# Altium PCB PCB.PcbDoc (part 1 of 3) (continued)
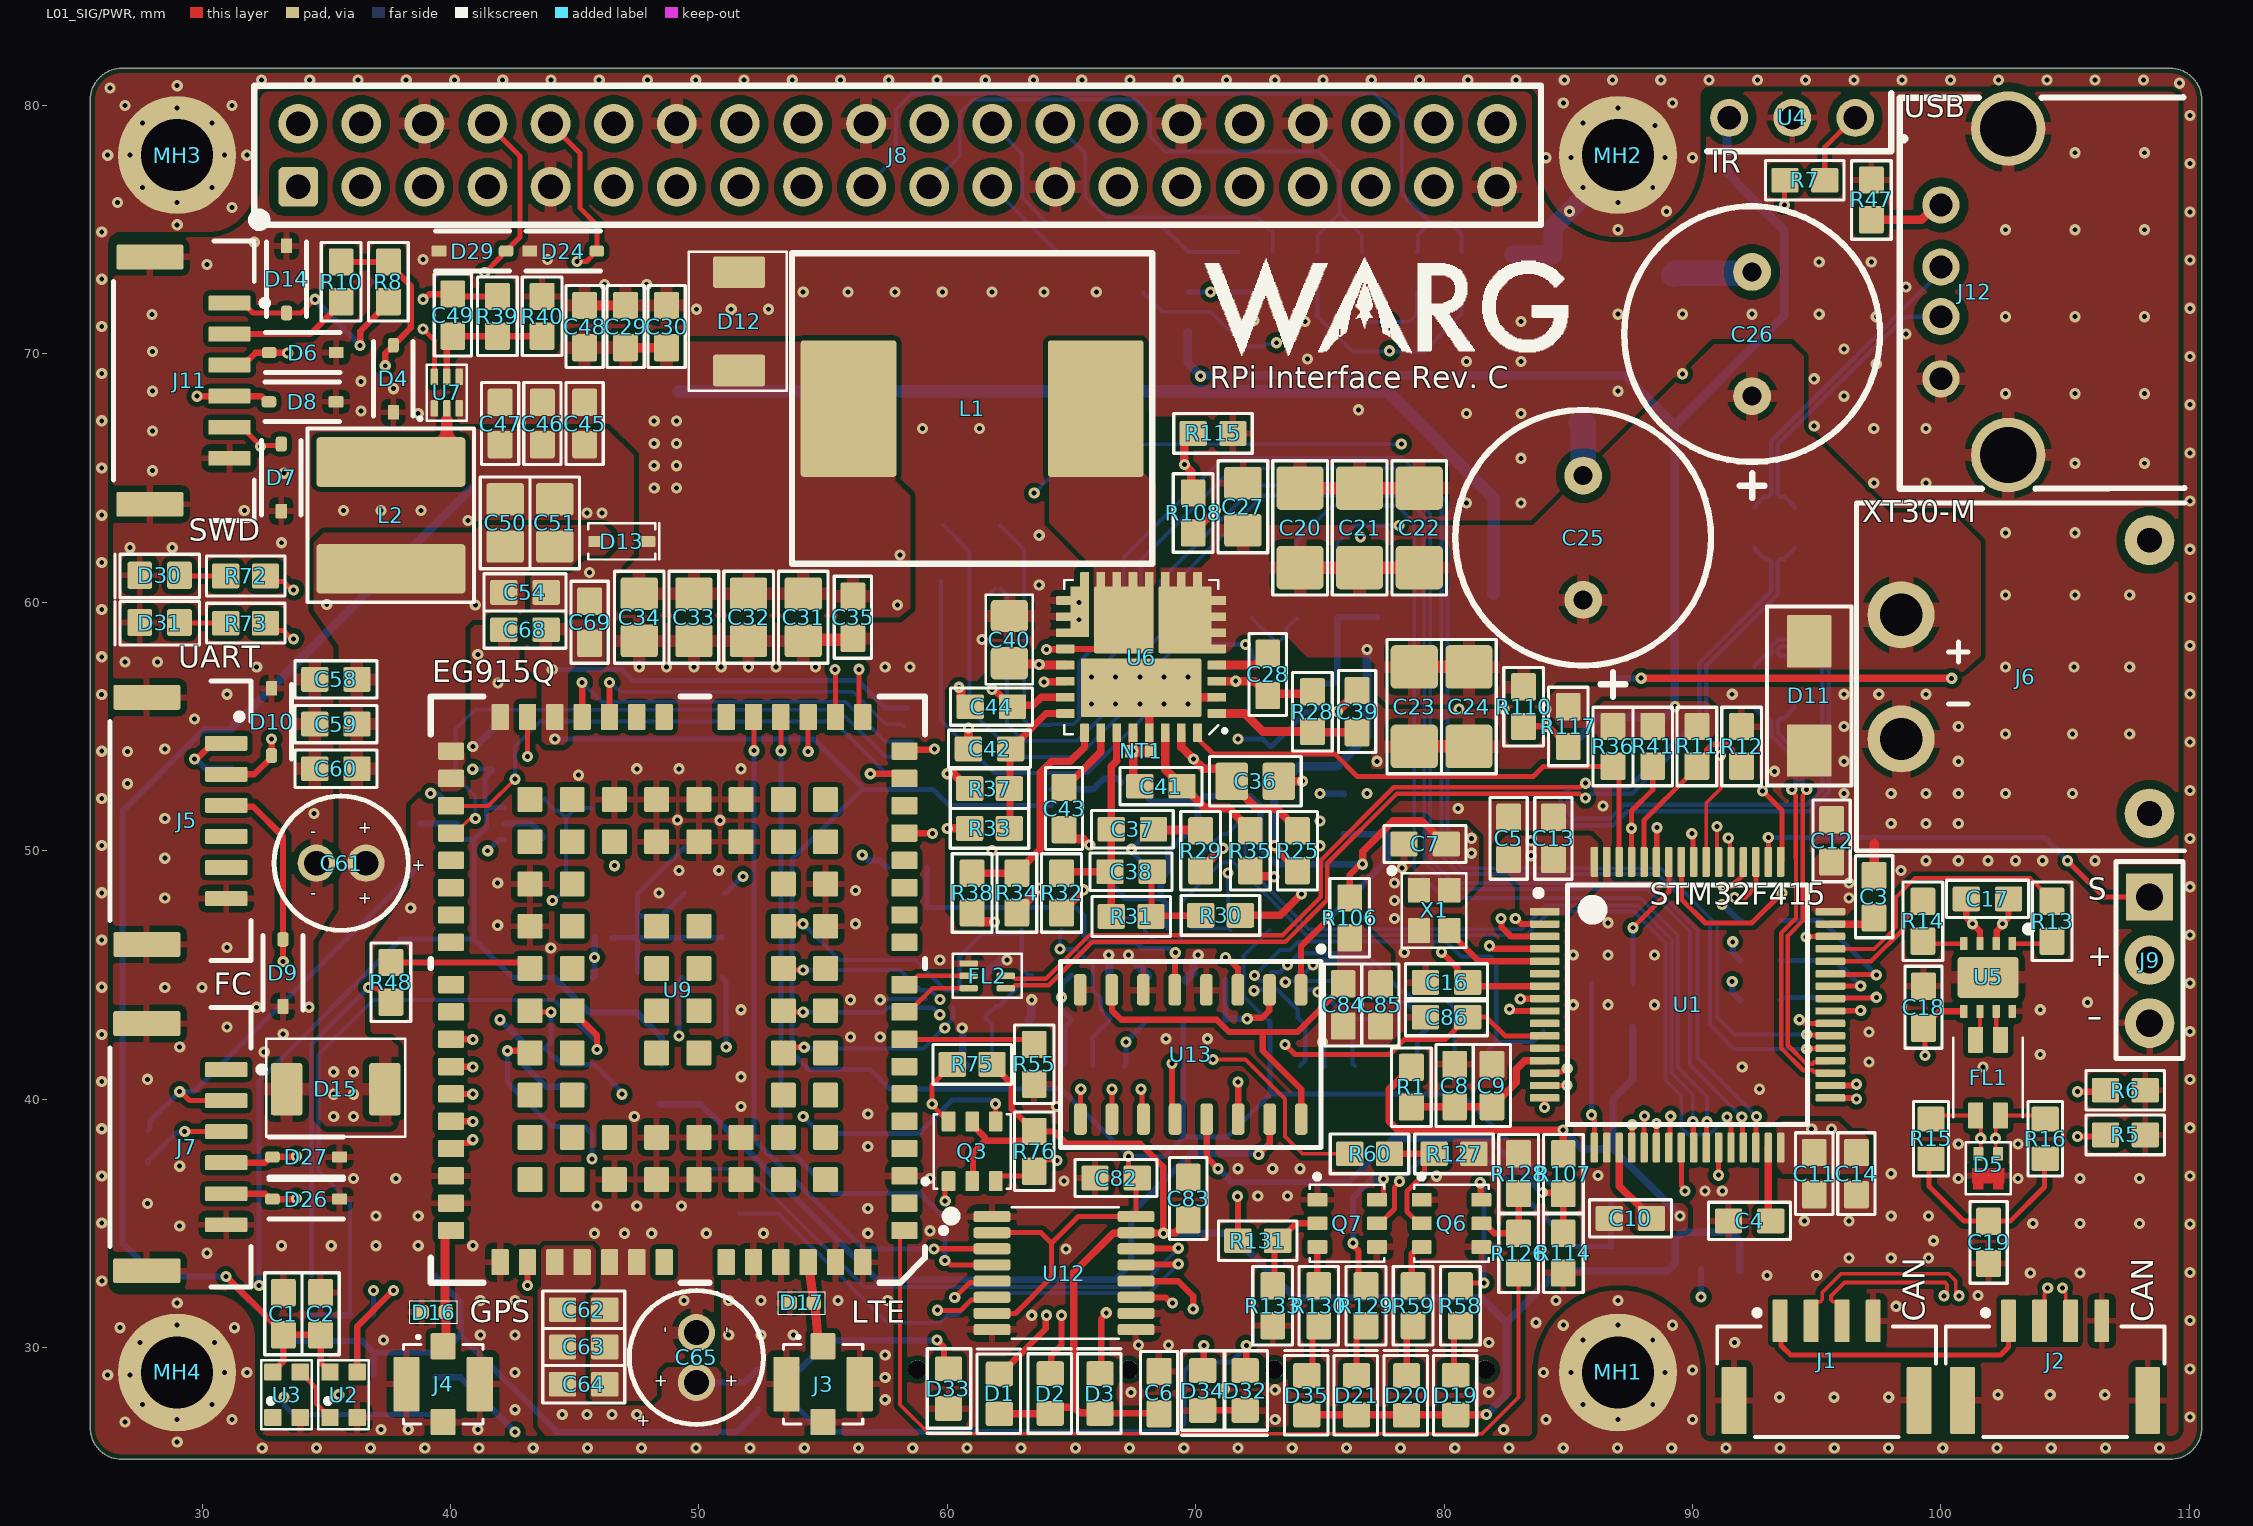
[diagram p0: L01_SIG/PWR view]
## Components (designator, comment, footprint, x,y, rotation, side; value= is the part's Value field where it differs from the comment) (continued)
D17 "AXGD10402KR" AXGD10402KR-Footprint-1 54.144,31.8 r90 top
D18 "TPD5E003DPFR" TPD5E003DPFR-Footprint-1 73.597,44.757 r0 bottom
D19 "LTST-C191KGKT" .LED_0603-Footprint-1 80.467,28.083 r90 top
D20 "LTST-C194TBKT" .LED_0603-Footprint-1 78.487,28.075 r90 top
D21 "LTST-C191KRKT" .LED_0603-Footprint-1 76.475,28.079 r90 top
D22 "TPD5E003DPFR" TPD5E003DPFR-Footprint-1 59.686,44.032 r180 bottom
D23 "DESD5V0U1BA-7" DESD5V0U1BA-7-Footprint-1 27.813,40.084 r90 bottom
D24 "DESD5V0U1BA-7" DESD5V0U1BA-7-Footprint-1 44.542,74.142 r180 top
D25 "DESD5V0U1BA-7" DESD5V0U1BA-7-Footprint-1 27.813,36.084 r270 bottom
D26 "DESD5V0U1BA-7" DESD5V0U1BA-7-Footprint-1 34.185,35.975 r0 top
D27 "DESD5V0U1BA-7" DESD5V0U1BA-7-Footprint-1 34.185,37.675 r0 top
D28 "DESD5V0U1BA-7" DESD5V0U1BA-7-Footprint-1 106.1,47.2 r270 bottom
D29 "DESD5V0U1BA-7" DESD5V0U1BA-7-Footprint-1 40.887,74.142 r180 top
D30 "LTST-C194TBKT" .LED_0603-Footprint-1 28.291,61.088 r180 top
D31 "LTST-C191KRKT" .LED_0603-Footprint-1 28.291,59.188 r180 top
D32 "IN-S63AT5UW" .LED_0603-Footprint-1 71.989,28.271 r270 top
D33 "IN-S63AT5UW" .LED_0603-Footprint-1 60.046,28.35 r270 top
D34 "IN-S63AT5UW" .LED_0603-Footprint-1 70.279,28.271 r270 top
D35 "IN-S63AT5UW" .LED_0603-Footprint-1 74.475,28.079 r90 top
F1 "ERB-RE0R50V" FUSE-0603-Footprint-1 31.2,54.1 r270 bottom
FL1 "ACT1210D-510-2P-TL00" ACT1210D-510-2P-TL00-Footprint-1 101.899,40.864 r90 top
FL2 "ECLAMP8052P.TCT" ECLAMP8052P.TCT-Footprint-1 61.61,44.965 r90 top
J1 "SM04B-GHS-TB(LF)(SN)" CONN_SM04B-GHS-TB_JST 95.4,29.2 r0 top
J2 "SM04B-GHS-TB(LF)(SN)" CONN_SM04B-GHS-TB_JST 104.6,29.2 r0 top
J3 "CONMHF1-SMD-T" CONMHF1-SMD-T-Footprint-1 55,28.527 r0 top
J4 "CONMHF1-SMD-T" CONMHF1-SMD-T-Footprint-1 39.704,28.527 r0 top
J5 "SM06B-GHS-TB" SM06B-GHS-TB 28.7,51.2 r270 top
J6 "XT30PW-M" XT60PW-M-Footprint-1 98.4,57 r270 top
J7 "SM06B-GHS-TB" SM06B-GHS-TB 28.699,38.067 r270 top
J8 "PPPC202LFBN-RC" PPPC202LFBN-RC-Footprint-1 58,78 r0 top locked
J9 "61300311121" 61300311121 108.4,45.6 r270 top
J11 "SM06B-GHS-TB" SM06B-GHS-TB 28.825,68.925 r270 top
J12 "USB1130-15-A" USB1130-15-A-Footprint-1 100,76 r270 top locked
J13 "SIM8066-6-1-14-01-A" FP-SIM8066-6-1-14-01-A-MFG 76.666,33.972 r180 bottom
J14 "SIM8066-6-1-14-01-A" FP-SIM8066-6-1-14-01-A-MFG 62.3,33.972 r180 bottom
J15 "SOLDERPAD_3PIN" SOLDERPAD_3PIN-Footprint-1 59.744,63.203 r0 bottom
J16 "SOLDERPAD_3PIN" SOLDERPAD_3PIN-Footprint-1 62.029,63.203 r0 bottom
J17 "SOLDERPAD_3PIN" SOLDERPAD_3PIN-Footprint-1 51.615,35.4 r225 bottom
L1 "DR127-2R2-R" DR127-2R2-R-Footprint-1 61,67.8 r180 top
L2 "SRN6045-1R0Y" SRN6045-1R0Y-Footprint-1 37.6,63.5 r270 top
MH1 "M2.5HOLE-STANDARD" M2.5HOLE-STANDARD-Footprint-1 87,29 r0 top locked
MH2 "M2.5HOLE-STANDARD" M2.5HOLE-STANDARD-Footprint-1 87,78 r0 top locked
MH3 "M2.5HOLE-STANDARD" M2.5HOLE-STANDARD-Footprint-1 29,78 r0 top locked
MH4 "M2.5HOLE-STANDARD" M2.5HOLE-STANDARD-Footprint-1 29,29 r0 top locked
NT1 "NET_TIE_SEPARATED_PADS" NET_TIE_SEPARATED_PADS 67.8,54 r180 top net-tie
Q1 "DMN2004DMK-7" DMN2004DMK-7-Footprint-1 73.7,56.7 r90 bottom
Q2 "SSM6P15FU,LF" Sot23-6-Footprint-1 41.2,51.1 r90 bottom
Q3 "DMN2004DMK-7" DMN2004DMK-7-Footprint-1 61,37.9 r0 top
Q4 "DMN2004DMK-7" DMN2004DMK-7-Footprint-1 68.9,48.1 r180 bottom
Q5 "DMN2004DMK-7" DMN2004DMK-7-Footprint-1 36.9,30.1 r0 bottom
Q6 "DMN2004DMK-7" DMN2004DMK-7-Footprint-1 80.3,35 r270 top
Q7 "DMN2004DMK-7" DMN2004DMK-7-Footprint-1 76.1,35 r270 top
R1 "RC0603FR-074R7L" .RES_0603-Footprint-1 78.685,40.481 r90 top
R2 "CRGCQ0603F470R" .RES_0603-Footprint-1 92.725,47.184 r180 bottom value=470Ω
R3 "CRGCQ0603F470R" .RES_0603-Footprint-1 92.725,45.584 r180 bottom value=470Ω
R4 "CRGCQ0603F470R" .RES_0603-Footprint-1 92.725,43.984 r180 bottom value=470Ω
R5 "RC0603FR-070RL" .RES_0603-Footprint-1 107.427,38.56 r180 top value=0
R6 "AC0603FR-1310KL" .RES_0603-Footprint-1 107.427,40.36 r180 top
R7 "RC0603FR-0710RL" .RES_0603-Footprint-1 94.524,76.993 r180 top value=10
R8 "RC0603FR-074K7L" .RES_0603-Footprint-1 37.5,72.9 r270 top
R9 "AC0603FR-1310KL" .RES_0603-Footprint-1 64.214,44.944 r180 bottom
R10 "RC0603FR-0710RL" .RES_0603-Footprint-1 35.6,72.9 r90 top value=10
R11 ".RES_0603_DNP" .RES_0603-Footprint-1 90.177,54.2 r90 top value=DNP
R12 "AC0603FR-1310KL" .RES_0603-Footprint-1 91.977,54.2 r270 top
R13 "RC0603FR-0710RL" .RES_0603-Footprint-1 104.475,47.162 r90 top value=10
R14 "RC0603FR-0710RL" .RES_0603-Footprint-1 99.275,47.162 r90 top value=10
R15 "RC0603FR-1360R4L" RES0603 99.6,38.4 r90 top value=60.4R
R16 "RC0603FR-1360R4L" RES0603 104.2,38.4 r90 top value=60.4R
R17 "AC0603FR-1310KL" .RES_0603-Footprint-1 69.7,71.7 r270 bottom
R18 "RC0603FR-070RL" .RES_0603-Footprint-1 71.5,73.3 r270 bottom value=0
R19 "RC0603FR-070RL" .RES_0603-Footprint-1 73.1,73.3 r270 bottom value=0
R20 "RC0603FR-070RL" .RES_0603-Footprint-1 67.9,73.3 r270 bottom value=0
R21 "RC0603FR-070RL" .RES_0603-Footprint-1 76.7,73.3 r270 bottom value=0
R22 "RC0603FR-070RL" .RES_0603-Footprint-1 74.9,73.3 r270 bottom value=0
R23 "RC0603FR-070RL" .RES_0603-Footprint-1 78.9,73.3 r270 bottom value=0
R24 "RC0603FR-070RL" .RES_0603-Footprint-1 80.7,73.3 r270 bottom value=0
R25 "RC0603FR-072R2L" .RES_0603-Footprint-1 74.1,50 r270 top value=2.2R
R26 "RC1206JR-070RL" .RES_1206-Footprint-1 85.6,68.7 r270 bottom value=0
R27 "RC1206JR-070RL" .RES_1206-Footprint-1 87.8,73.2 r0 bottom value=0
R28 "RC0603FR-072KL" .RES_0603-Footprint-1 74.7,55.6 r90 top value=2kR
R29 "RC0603FR-0712KL" .RES_0603-Footprint-1 70.2,50 r270 top value=12k
R30 "RC0603FR-070RL" .RES_0603-Footprint-1 71,47.4 r0 top value=0
R31 "RC0603FR-0712KL" .RES_0603-Footprint-1 67.4,47.355 r0 top value=12k
R32 "RC0603FR-071K6L" .RES_0603-Footprint-1 64.6,48.3 r90 top value=1.6k
R33 "RC0603FR-07120KL" .RES_0603-Footprint-1 61.7,50.9 r180 top value=120k
R34 "AC0603FR-1310KL" .RES_0603-Footprint-1 62.8,48.3 r270 top
R35 "RC0603FR-072R2L" .RES_0603-Footprint-1 72.2,50 r270 top value=2.2R
R36 "AC0603FR-1310KL" .RES_0603-Footprint-1 86.8,54.2 r90 top
R37 "RK73H1JTTD2202F" .RES_0603-Footprint-1 61.7,52.5 r0 top value=22k
R38 "RC0603FR-07100KL" .RES_0603-Footprint-1 61,48.3 r90 top
R39 "RC0603FR-07100KL" .RES_0603-Footprint-1 41.889,71.515 r90 top
R40 "RC0603FR-0718KL" .RES_0603-Footprint-1 43.689,71.515 r270 top value=18k
R41 "AC0603FR-1310KL" .RES_0603-Footprint-1 88.4,54.2 r90 top
R42 "RC0603FR-071ML" .RES_0603-Footprint-1 82.823,73.211 r270 bottom value=1MR
R43 "RC0603FR-070RL" .RES_0603-Footprint-1 94.1,63 r270 bottom value=0
R44 "RC0603FR-070RL" .RES_0603-Footprint-1 92.5,63 r270 bottom value=0
R45 "RC0603FR-070RL" .RES_0603-Footprint-1 94.1,56.6 r90 bottom value=0
R46 "RC0603FR-070RL" .RES_0603-Footprint-1 92.5,56.6 r90 bottom value=0
R47 "AC0603FR-1310KL" .RES_0603-Footprint-1 97.2,76.2 r270 top
R48 "RC0603FR-074K7L" .RES_0603-Footprint-1 37.6,44.7 r270 top
R49 "RC0603FR-0710RL" .RES_0603-Footprint-1 73.854,60.2 r90 bottom value=10
R50 "RC0603FR-0710RL" .RES_0603-Footprint-1 75.7,60.2 r90 bottom value=10
R51 "AC0603FR-1310KL" .RES_0603-Footprint-1 72.254,60.2 r270 bottom
R52 "AC0603FR-1310KL" .RES_0603-Footprint-1 77.3,60.2 r270 bottom
R53 "RC0603FR-0751KL" .RES_0603-Footprint-1 73.774,43.147 r180 bottom value=51k
R54 "RC0603FR-0715KL" .RES_0603-Footprint-1 77.925,43.956 r270 bottom value=15k
R55 "AC0603FR-1310KL" .RES_0603-Footprint-1 63.5,41.4 r90 top
R56 "AC0603FR-1310KL" .RES_0603-Footprint-1 63.8,46.8 r180 bottom
R58 "RC0603FR-071K5L" .RES_0603-Footprint-1 80.655,31.683 r270 top
R59 "RC0603FR-071K5L" .RES_0603-Footprint-1 78.755,31.683 r270 top
R60 "RC0603FR-0710RL" .RES_0603-Footprint-1 77,37.8 r180 top value=10
R61 "AC0603FR-1310KL" .RES_0603-Footprint-1 86.8,42.9 r0 bottom
R62 "RC0603FR-070RL" .RES_0603-Footprint-1 86.8,44.7 r0 bottom value=0
R63 "AC0603FR-1310KL" .RES_0603-Footprint-1 44.927,44.897 r180 bottom
R64 "AC0603FR-1310KL" .RES_0603-Footprint-1 47.527,44.297 r270 bottom
R65 "AC0603FR-1310KL" .RES_0603-Footprint-1 45.7,50.9 r270 bottom
R66 "RC0603FR-070RL" .RES_0603-Footprint-1 50.227,48.297 r180 bottom value=0
R67 "RC0603FR-070RL" .RES_0603-Footprint-1 49.327,45.697 r90 bottom value=0
R68 "RC0603FR-070RL" .RES_0603-Footprint-1 50.227,50.097 r180 bottom value=0
R69 "RC0603FR-070RL" .RES_0603-Footprint-1 50.927,45.697 r90 bottom value=0
R70 "RC0603FR-0710RL" .RES_0603-Footprint-1 38.76,50.231 r90 bottom value=10
R71 "RC0603FR-0710RL" .RES_0603-Footprint-1 43.8,51.3 r90 bottom value=10
R72 "RC0603FR-07220RL" .RES_0603-Footprint-1 31.752,61.061 r0 top value=220
R73 "RC0603FR-07220RL" .RES_0603-Footprint-1 31.752,59.161 r0 top value=220
R74 "AC0603FR-1310KL" .RES_0603-Footprint-1 45.4,39.7 r90 bottom
R75 "AC0603FR-1310KL" .RES_0603-Footprint-1 61,41.4 r0 top
R76 "AC0603FR-1310KL" .RES_0603-Footprint-1 63.5,37.9 r90 top
R77 "AC0603FR-1310KL" .RES_0603-Footprint-1 43.8,41.3 r270 bottom
R88 "AC0603FR-1310KL" .RES_0603-Footprint-1 72.2,46.8 r0 bottom
R89 "AC0603FR-1310KL" .RES_0603-Footprint-1 70.883,51.099 r180 bottom
R90 "AC0603FR-1310KL" .RES_0603-Footprint-1 66.387,48.102 r90 bottom
R91 "AC0603FR-1310KL" .RES_0603-Footprint-1 67.7,51.1 r180 bottom
R92 "AC0603FR-1310KL" .RES_0603-Footprint-1 34.4,32.1 r90 bottom
R93 "AC0603FR-1310KL" .RES_0603-Footprint-1 34.4,28.1 r270 bottom
R94 "AC0603FR-1310KL" .RES_0603-Footprint-1 39.4,32.1 r90 bottom
R95 "AC0603FR-1310KL" .RES_0603-Footprint-1 39.4,28 r270 bottom
R106 "RC0603FR-074R7L" .RES_0603-Footprint-1 76.2,47.3 r90 top
R107 "NTCG163JF103FT1" .RES_0603-Footprint-1 84.8,37 r90 top value=10k
R108 "NTCG163JF103FT1" .RES_0603-Footprint-1 69.9,63.6 r270 top value=10k
R109 "NTCG163JF103FT1" .RES_0603-Footprint-1 48.5,40.6 r90 bottom value=10k
R110 "RC0603FR-07220KL" .RES_0603-Footprint-1 83.2,55.8 r90 top
R111 "RC0603FR-07220KL" .RES_0603-Footprint-1 75.966,51.465 r90 bottom
R112 "RC0603FR-07100KL" .RES_0603-Footprint-1 58.373,49.323 r180 bottom
R113 "AC0603FR-1310KL" .RES_0603-Footprint-1 70.4,43.2 r180 bottom
R114 "AC0603FR-1310KL" .RES_0603-Footprint-1 84.8,33.8 r90 top
R115 "AC0603FR-1310KL" .RES_0603-Footprint-1 70.7,66.8 r180 top
R116 "AC0603FR-1310KL" .RES_0603-Footprint-1 50.1,40.6 r270 bottom
R117 "AC0603FR-1310KL" .RES_0603-Footprint-1 85,55 r270 top
R118 "RC0603FR-07100KL" .RES_0603-Footprint-1 77.766,51.465 r270 bottom
R119 "RC0603FR-0782KL" .RES_0603-Footprint-1 58.373,47.723 r0 bottom
R120 ".RES_0603_DNP" .RES_0603-Footprint-1 70.4,44.8 r0 bottom value=DNP
R123 "RC0603FR-071K5L" .RES_0603-Footprint-1 53.2,27.5 r180 bottom
R124 "RC0603FR-071K5L" .RES_0603-Footprint-1 53.2,29.1 r180 bottom
R125 "RC0603FR-071K5L" .RES_0603-Footprint-1 91.1,33.1 r0 bottom
R126 "RC0603FR-0710RL" .RES_0603-Footprint-1 83,33.8 r270 top value=10
R127 "AC0603FR-1310KL" .RES_0603-Footprint-1 80.4,37.8 r180 top
R128 "AC0603FR-1310KL" .RES_0603-Footprint-1 83,37 r270 top
R129 "RC0603FR-071K5L" .RES_0603-Footprint-1 76.855,31.683 r270 top
R130 "RC0603FR-071K5L" .RES_0603-Footprint-1 74.955,31.683 r270 top
R131 "RC0603FR-0710RL" .RES_0603-Footprint-1 72.5,34.3 r180 top value=10
R132 "RC0603FR-0710RL" .RES_0603-Footprint-1 85.919,35.771 r180 bottom value=10
R133 "AC0603FR-1310KL" .RES_0603-Footprint-1 73.1,31.683 r90 top
R134 "AC0603FR-1310KL" .RES_0603-Footprint-1 87.519,34.071 r180 bottom
U1 "STM32F415RGT6" .LQFP64 89.8,43.8 r0 top
U2 "WS2812B-2020" WS2812B-2020-Footprint-1 35.7,28.1 r270 top
U3 "WS2812B-2020" WS2812B-2020-Footprint-1 33.4,28.1 r270 top
U4 "TSSP4038" TSSP4038-Footprint-1 94.004,81.356 r180 top
U5 "TJA1051TK/3,118" TJA1051TK_3,118-Footprint-1 101.9,44.9 r270 top
U6 "MIC28516T-E/PHA" MIC28516T-E_PHA-Footprint-1 67.8,57.8 r180 top
U7 "TLV62585PDRLR" TLV62585PDRLR-Footprint-1 39.851,68.444 r90 top
U8 "TLV75533PDBVR" SOT-23-5 85.9,55.5 r270 bottom
U9 "EG915QNALC-N03-SNNSA" EG915QNALC-N03-SNNSA-Footprint-1 49.15,44.412 r180 top
U10 "74LVC1G125GW,125" 74LVC1G125GW,125-Footprint-1 45.827,47.497 r90 bottom
U11 "SN74AXC4T774QPWRQ1" 16TSSOP-footprint-1 61.3,54.1 r0 bottom
U12 "SN74AXC4T774QPWRQ1" 16TSSOP-footprint-1 64.7,33 r0 top
U13 "74HC4051D,653" 74HC4051D,653-Footprint-1 69.8,41.8 r180 top
X1 "ASDDV-8.000MHZ-LR-T" ASDDV-8.000MHZ-LR-T-Footprint-1 79.6,47.6 r270 top

## Footprints (in the part's own frame and the unit in brackets; to place one, negate y for a bottom-side part, rotate by r counter-clockwise, add the part's x,y. Pads: shape width x height; smd on the part's side, far side on the other; paste and mask are expansions set on the pad)
16TSSOP-footprint-1 [mm]
  rrect50% 1.5x0.45 smd: 1(-2.9,2.275) 2(-2.9,1.625) 3(-2.9,0.975) 4(-2.9,0.325) 5(-2.9,-0.325) 6(-2.9,-0.975) 7(-2.9,-1.625) 8(-2.9,-2.275) 9(2.9,-2.275) 10(2.9,-1.625) 11(2.9,-0.975) 12(2.9,-0.325) 13(2.9,0.325) 14(2.9,0.975) 15(2.9,1.625) 16(2.9,2.275)
  silkscreen extent -4.72,-2.65 2.19,2.65, body extent -3.2,-2.55 3.2,2.45, height 1.2
74HC4051D,653-Footprint-1 [mm]
  rrect50% 0.51x1.27 smd: 1(-4.44,-2.6) 2(-3.17,-2.6) 3(-1.9,-2.6) 4(-0.63,-2.6) 5(0.64,-2.6) 6(1.91,-2.6) 7(3.18,-2.6) 8(4.45,-2.6) 9(4.44,2.6) 10(3.17,2.6) 11(1.9,2.6) 12(0.63,2.6) 13(-0.64,2.6) 14(-1.91,2.6) 15(-3.18,2.6) 16(-4.45,2.6)
  silkscreen extent -5.35,-4.35 5.25,3.75, body extent -4.95,-3 4.95,3, height 1.75
74LVC1G125GW,125-Footprint-1 [mm]
  rrect15% 0.75x0.4 smd mask+0.05: 1(-0.975,0.65) 2(-0.975,0) 3(-0.975,-0.65) 4(0.975,-0.65) 5(0.975,0.65)
  silkscreen extent -1.21,-1 0.8,1.21, body extent -1,-1.07 1.1,1.07, height 0.91
61300311121 [mm] "Pin Header, pitch 2.54 mm, THT, Vertical, single row, 3p"
  rect 1.9x1.9 hole 1.1: 1(-2.54,0)
  round 2 hole 1.1: 2(0,0) 3(2.54,0)
  silkscreen extent -3.96,-1.35 3.96,1.35, body extent -3.81,-1.27 3.81,1.27, height 8.57
.CAP_0603-Footprint-1 [mm]
  rrect15% 1.1x1 smd: 1(-0.85,0) 2(0.85,0)
  silkscreen extent -1.65,-0.75 1.65,0.75, body extent -0.87,-0.45 0.87,0.5, height 0.87
.CAP_0805-Footprint-1 [mm]
  rrect15% 1.3x1.5 smd: 1(-0.95,0) 2(0.95,0)
  silkscreen extent -1.85,-1 1.85,1, body extent -1.1,-0.7 1.1,0.75, height 1.39
.CAP_1206-Footprint-1 [mm]
  rrect20% 1.75x1.9 smd: 1(-1.6,0) 2(1.6,0)
  silkscreen extent -2.7,-1.1 2.7,1.1, body extent -1.7,-0.9 1.7,0.9, height 0.88
.LED_0603-Footprint-1 [mm]
  rrect20% 1x1.1 smd: 1(-0.8,0) 2(0.8,0)
  silkscreen extent -1.6,-0.85 1.8,0.9, body extent -0.81,-0.4 0.81,0.4, height 0.6
.LQFP64 [mm] "LQFP64, 64-Leads, 10.00x10.00mm"
  rrect33% 1.2x0.3 smd mask+0.05: 1(-5.75,3.75) 2(-5.75,3.25) 3(-5.75,2.75) 4(-5.75,2.25) 5(-5.75,1.75) 6(-5.75,1.25) 7(-5.75,0.75) 8(-5.75,0.25) 9(-5.75,-0.25) 10(-5.75,-0.75) 11(-5.75,-1.25) 12(-5.75,-1.75) 13(-5.75,-2.25) 14(-5.75,-2.75) 15(-5.75,-3.25) 16(-5.75,-3.75) 33(5.75,-3.75) 34(5.75,-3.25) 35(5.75,-2.75) 36(5.75,-2.25) 37(5.75,-1.75) 38(5.75,-1.25) 39(5.75,-0.75) 40(5.75,-0.25) 41(5.75,0.25) 42(5.75,0.75) 43(5.75,1.25) 44(5.75,1.75) 45(5.75,2.25) 46(5.75,2.75) 47(5.75,3.25) 48(5.75,3.75)
  rrect33% 0.3x1.2 smd mask+0.05: 17(-3.75,-5.75) 18(-3.25,-5.75) 19(-2.75,-5.75) 20(-2.25,-5.75) 21(-1.75,-5.75) 22(-1.25,-5.75) 23(-0.75,-5.75) 24(-0.25,-5.75) 25(0.25,-5.75) 26(0.75,-5.75) 27(1.25,-5.75) 28(1.75,-5.75) 29(2.25,-5.75) 30(2.75,-5.75) 31(3.25,-5.75) 32(3.75,-5.75) 49(3.75,5.75) 50(3.25,5.75) 51(2.75,5.75) 52(2.25,5.75) 53(1.75,5.75) 54(1.25,5.75) 55(0.75,5.75) 56(0.25,5.75) 57(-0.25,5.75) 58(-0.75,5.75) 59(-1.25,5.75) 60(-1.75,5.75) 61(-2.25,5.75) 62(-2.75,5.75) 63(-3.25,5.75) 64(-3.75,5.75)
  silkscreen extent -6.12,-4.82 4.82,4.83, body extent -6,-6 6,6, height 1.6
.RES_0603-Footprint-1 [mm]
  rrect15% 1.1x1 smd: 1(-0.8,0) 2(0.8,0)
  silkscreen extent -1.58,-0.8 1.58,0.8, body extent -0.8,-0.4 0.8,0.4, height 0.46
.RES_1206-Footprint-1 [mm]
  rrect20% 1.3x2 smd: 1(-1.45,0) 2(1.45,0)
  silkscreen extent -2.3,-1.2 2.3,1.2, body extent -1.6,-0.8 1.6,0.8, height 0.61
ACT1210D-510-2P-TL00-Footprint-1 [mm]
  rrect10% 1.05x0.6 smd: 1(-1.525,0.5) 2(-1.525,-0.5) 3(1.525,-0.5) 4(1.525,0.5)
  silkscreen extent -1.6,-1.4 1.6,1.4, body extent -1.95,-1.25 1.95,1.25, height 2.5
ASDDV-8.000MHZ-LR-T-Footprint-1 [mm]
  rrect10% 1x0.9 smd: 1(-0.813,-0.613) 2(0.813,-0.613) 3(0.813,0.613) 4(-0.813,0.613)
  silkscreen extent -1.7,-1.8 1.5,1.3, body extent -1.25,-1 1.25,1, height 0.91
AXGD10402KR-Footprint-1 [mm]
  rrect50% 0.559x0.584 smd: 1(0,0.483) 2(0,-0.483)
  silkscreen extent -0.45,-0.95 0.45,0.95
BAT60JFILM-Footprint-1 [mm]
  rrect15% 0.59x0.45 smd: 1(-1.055,0) 2(1.055,0)
  silkscreen extent -1.35,-0.72 1.5,0.72, body extent -1.25,-0.64 1.25,0.64, height 1.17
CAP0805-Footprint-2 [mm]
  rrect25% 1.3x1.5 smd mask+0.05: 1(-0.95,0) 2(0.95,0)
  silkscreen extent -1.8,-0.95 1.8,0.95, body extent -1.1,-0.7 1.1,0.75, height 1.39
CONMHF1-SMD-T-Footprint-1 [mm]
  rrect10% 1x1.05 smd mask+0.05: 1(0,1.525) 4(0,-1.525)
  rrect9% 1.05x2.2 smd mask+0.05: 2(-1.475,0) 3(1.475,0)
  silkscreen extent -1.6,-1.6 1.6,1.95, body extent -1.48,-1.55 1.52,1.55, height 1.31
CONN_SM04B-GHS-TB_JST [mm]
  rrect10% 0.6x1.7 smd: 1(-1.875,1.876) 2(-0.625,1.876) 3(0.625,1.876) 4(1.875,1.876)
  rrect10% 1x2.7 smd: 5(-3.725,-1.324) 6(3.725,-1.324)
  silkscreen extent -4.4,-2.8 4.4,2.3, body extent -4.13,-2.55 4.13,2.3, height 4.25
DESD5V0U1BA-7-Footprint-1 [mm]
  rrect15% 0.59x0.45 smd mask+0.102: 1(1.35,0)
  rrect50% 0.59x0.45 smd: 2(-1.35,0)
  silkscreen extent -1.5,-0.8 1.5,0.8, body extent -1.25,-0.65 1.25,0.65, height 1.2
DMN2004DMK-7-Footprint-1 [mm]
  rrect15% 0.55x0.8 smd: 1(-0.95,-1.2) 2(0,-1.2) 3(0.95,-1.2) 4(0.95,1.2) 5(0,1.2) 6(-0.95,1.2)
  silkscreen extent -1.6,-2.1 1.55,1.5, body extent -1.5,-1.43 1.5,1.43, height 1.4
DO-214AA-Footprint-1 [mm]
  rrect15% 1.27x2.1 smd: 1(-1.98,0) 2(1.98,0)
  silkscreen extent -2.8,-2.03 2.79,1.91, body extent -2.67,-1.81 2.67,1.81, height 2.65
DR127-2R2-R-Footprint-1 [mm]
  rrect6% 3.85x5.5 smd: 1(-4.975,0) 2(4.975,0)
  silkscreen extent -7.25,-6.25 7.25,6.25, body extent -6,-6 6,6, height 7.85
ECLAMP8052P.TCT-Footprint-1 [mm]
  rrect50% 0.25x0.75 smd mask+0.05: 1(-0.5,-0.75) 2(0,-0.75) 3(0.5,0.75) 4(0,0.75) 5(-0.5,0.75)
  silkscreen extent -0.89,-1.4 0.89,1.4, body extent -0.95,-0.85 0.95,0.85, height 0.55
EEU-FS1K101-Footprint-1 [mil]
  round 60 hole 30: 1(-98.43,0) 2(98.43,0)
  silkscreen extent -203,-203 203,203, body extent -196,-197 197,197, height 492
EG915QNALC-N03-SNNSA-Footprint-1 [mm]
  rrect14% 1.05x0.7 smd paste-2 mask+0.05: 1(-9.125,9.7) 2(-9.125,8.6) 3(-9.125,7.5) 4(-9.125,6.4) 5(-9.125,5.3) 6(-9.125,4.2) 7(-9.125,3.1) 8(-9.125,2) 9(-9.125,0.9) 10(-9.125,-0.2) 11(-9.125,-1.9) 12(-9.125,-3) 13(-9.125,-4.1) 14(-9.125,-5.2) 15(-9.125,-6.3) 16(-9.125,-7.4) 17(-9.125,-8.5) 18(-9.125,-9.6) 32(9.125,-9.6) 33(9.125,-8.5) 34(9.125,-7.4) 35(9.125,-6.3) 36(9.125,-5.2) 37(9.125,-4.1) 38(9.125,-3) 39(9.125,-1.9) 40(9.125,-0.2) 41(9.125,0.9) 42(9.125,2) 43(9.125,3.1) 44(9.125,4.2) 45(9.125,5.3) 46(9.125,6.4) 47(9.125,7.5) 48(9.125,8.6) 49(9.125,9.7)
  rrect14% 0.7x1.05 smd paste-2 mask+0.05: 19(-7.45,-10.975) 20(-6.35,-10.975) 21(-5.25,-10.975) 22(-4.15,-10.975) 23(-3.05,-10.975) 24(-1.95,-10.975) 25(0.55,-10.975) 26(1.65,-10.975) 27(2.75,-10.975) 28(3.85,-10.975) 29(4.95,-10.975) 30(6.05,-10.975) 31(7.15,-10.975) 50(7.15,10.975) 51(6.05,10.975) 52(4.95,10.975) 53(3.85,10.975) 54(2.75,10.975) 55(1.65,10.975) 56(0.55,10.975) 57(-1.95,10.975) 58(-3.05,10.975) 59(-4.15,10.975) 60(-5.25,10.975) 61(-6.35,10.975) 62(-7.45,10.975)
  rrect10% 1x1 smd paste-1 mask+0.05: 63(-5.95,4.25) 64(-5.95,2.55) 65(-5.95,0.85) 66(-5.95,-0.85) 67(-5.95,-2.55) 68(-5.95,-4.25) 69(-2.55,-7.65) 70(-0.85,-7.65) 71(0.85,-7.65) 72(2.55,-7.65) 73(5.95,-4.25) 74(5.95,-2.55) 75(5.95,-0.85) 76(5.95,0.85) 77(5.95,2.55) 78(5.95,4.25) 79(2.55,7.65) 80(0.85,7.65) 81(-0.85,7.65) 82(-2.55,7.65) 83(-4.25,4.25) 84(-4.25,2.55) 85(-4.25,0.85) 86(-4.25,-0.85) 87(-4.25,-2.55) 88(-4.25,-4.25) 89(-2.55,-5.95) 90(-0.85,-5.95) 91(0.85,-5.95) 92(2.55,-5.95) 93(4.25,-4.25) 94(4.25,-2.55) 95(4.25,-0.85) 96(4.25,0.85) 97(4.25,2.55) 98(4.25,4.25) 99(2.55,5.95) 100(0.85,5.95) 101(-0.85,5.95) 102(-2.55,5.95) 103(-5.95,7.65) 104(-5.95,5.95) 105(-5.95,-5.95) 106(-5.95,-7.65) 107(-4.25,-7.65) 108(4.25,-7.65) 109(5.95,-7.65) 110(5.95,-5.95) 111(5.95,5.95) 112(5.95,7.65) 113(4.25,7.65) 114(-4.25,7.65) 115(-4.25,5.95) 116(-4.25,-5.95) 117(4.25,-5.95) 118(4.25,5.95) 119(-0.85,2.55) 120(-0.85,0.85) 121(-0.85,-0.85) 122(-0.85,-2.55) 123(0.85,-2.55) 124(0.85,-0.85) 125(0.85,0.85) 126(0.85,2.55)
  silkscreen extent -10.8,-11.8 9.95,11.8, body extent -9.95,-11.8 9.95,11.8, height 2.6
ESH107M010AC3AA-Footprint-1 [mm]
  round 1.5 hole 1 mask+0.05: 1(-1,0)
  round 1.5 hole 1 paste-2539.97 mask+0.05: 2(1,0)
  silkscreen extent -2.7,-2.7 2.7,2.7, body extent -2.74,-2.75 2.74,2.75, height 12.5
FP-SIM8066-6-1-14-01-A-MFG [mm]
  rrect12% 0.8x1.14 smd paste+0: C1(0.25,7.37) C2(-2.29,7.37) C3(-4.83,7.37) C5(1.52,7.37) C6(-1.02,7.37) C7(-3.56,7.37) CD(2.47,7.37)
  rrect14% 0.7x2.1 smd paste+0: MP1(-6.5,5.89) MP2(6.5,5.89) MP3(-6.5,-6.11) MP4(6.5,-6.11)
  round 0.75 hole 0.75 paste-2539.97 mask+0: ""(-5,-4.86) ""(3.5,-4.86)
  L01_SIG/PWR keep-out region: -4.4,-3.16 -2.795,-3.16 -2.795,-6.56 -4.4,-6.56
  L01_SIG/PWR keep-out region: 0.435,-3.16 2.285,-3.16 2.285,-6.56 0.435,-6.56
  L01_SIG/PWR keep-out region: -2.105,-3.16 -0.255,-3.16 -0.255,-6.56 -2.105,-6.56
  L01_SIG/PWR keep-out region: -4.32,2.295 -3.12,2.295 -3.12,-0.915 -4.32,-0.915
  L01_SIG/PWR keep-out region: -1.78,2.295 -0.58,2.295 -0.58,-0.915 -1.78,-0.915
  L01_SIG/PWR keep-out region: 0.76,2.295 1.96,2.295 1.96,-0.915 0.76,-0.915
  L01_SIG/PWR keep-out region: 0.76,5.685 1.96,5.685 1.96,3.135 0.76,3.135
  silkscreen extent -6.24,-6.96 6.24,6.96, body extent -6.51,-6.92 6.58,7.66, height 1.64
FUSE-0603-Footprint-1 [mm] "SMT Fuse, 0603."
  rrect15% 1.1x1 smd: 1(-0.8,0) 2(0.8,0)
  silkscreen extent -1.58,-0.8 1.58,0.8, body extent -0.8,-0.4 0.8,0.4, height 0.64
M2.5HOLE-STANDARD-Footprint-1 [mm]
  round 4.75 hole 2.9: 1(0,0)
MIC28516T-E_PHA-Footprint-1 [mm]
  rrect15% 0.75x0.35 smd mask+0.05: 1(-3.05,2.275) 2(-3.05,1.625) 3(-3.05,0.975) 4(-3.05,0.325) 5(-3.05,-0.325) 6(-3.05,-0.975) 7(-3.05,-1.625) 8(-3.05,-2.275) 17(3.05,-2.275) 18(3.05,-1.625) 19(3.05,-0.975) 20(3.05,-0.325) 21(3.05,0.325) 22(3.05,0.975) 23(3.05,1.625) 24(3.05,2.275)
  rrect15% 0.35x0.75 smd mask+0.05: 9(-2.275,-3.05) 10(-1.625,-3.05) 11(-0.975,-3.05) 12(-0.325,-3.05) 13(0.325,-3.05) 14(0.975,-3.05) 15(1.625,-3.05) 16(2.275,-3.05) 25(2.275,3.05) 26(1.625,3.05) 27(0.975,3.05) 28(0.325,3.05) 29(-0.325,3.05) 30(-0.975,3.05) 31(-1.625,3.05) 32(-2.275,3.05)
  rrect5% 4.85x2.36 smd mask+0.05: 33(0,1.24)
  rrect5% 2.13x2.69 smd mask+0.05: 34(-1.775,-1.495)
  rrect5% 2.39x2.69 smd mask+0.05: 35(0.695,-1.495)
  rrect5% 0.74x2.04 smd mask+0.05: 36(2.47,-1.82)
  silkscreen extent -3.42,-3.1 3.1,3.1, body extent -3,-3 3,3, height 0.89
NET_TIE_SEPARATED_PADS [mm]
  rrect15% 0.5x0.5 smd paste-2539.97 mask+0: 1(-0.4,0) 2(0.4,0)
  L01_SIG/PWR region: -0.2,-0.2 0.2,-0.2 0.2,0.2 -0.2,0.2
PESD2CANFD24U-QCZ-Footprint-1 [mm]
  rrect10% 0.4x0.55 smd: 1(0.4,0.375) 2(-0.4,0.375)
  round 0.025 smd: 3(0,-0.5)
  L01_SIG/PWR region: -0.6,-1.05 -0.6,-0.8 -0.65,-0.8 -0.65,-0.2 0.65,-0.2 0.65,-0.8 0.6,-0.8 0.6,-1.05 0.2,-1.05 0.2,-0.8 -0.2,-0.8 -0.2,-1.05
  silkscreen extent -0.9,-1.25 0.9,0.85, body extent -0.7,-0.82 0.7,0.4, height 0.49
PPPC202LFBN-RC-Footprint-1 [mm]
  rrect25% 1.6x1.6 hole 1: 1(-24.13,-1.27)
  round 1.6 hole 1: 2(-24.13,1.27) 3(-21.59,-1.27) 4(-21.59,1.27) 5(-19.05,-1.27) 6(-19.05,1.27) 7(-16.51,-1.27) 8(-16.51,1.27) 9(-13.97,-1.27) 10(-13.97,1.27) 11(-11.43,-1.27) 12(-11.43,1.27) 13(-8.89,-1.27) 14(-8.89,1.27) 15(-6.35,-1.27) 16(-6.35,1.27) 17(-3.81,-1.27) 18(-3.81,1.27) 19(-1.27,-1.27) 20(-1.27,1.27) 21(1.27,-1.27) 22(1.27,1.27) 23(3.81,-1.27) 24(3.81,1.27) 25(6.35,-1.27) 26(6.35,1.27) 27(8.89,-1.27) 28(8.89,1.27) 29(11.43,-1.27) 30(11.43,1.27) 31(13.97,-1.27) 32(13.97,1.27) 33(16.51,-1.27) 34(16.51,1.27) 35(19.05,-1.27) 36(19.05,1.27) 37(21.59,-1.27) 38(21.59,1.27) 39(24.13,-1.27) 40(24.13,1.27)
  silkscreen extent -25.9,-2.8 25.9,2.8, body extent -25.65,-2.54 25.65,2.54, height 3.3
RES0603 [mm] "SMT Resistor 0603"
  rrect15% 1x1.1 smd: 1(-0.8,0) 2(0.8,0)
  silkscreen extent -1.5,-0.7 1.5,0.7, body extent -0.8,-0.4 0.8,0.4, height 0.46
SM06B-GHS-TB [mm]
  rrect15% 0.6x1.7 smd paste+0 mask+0.05: 1(-3.125,2.275) 2(-1.875,2.275) 3(-0.625,2.275) 4(0.625,2.275) 5(1.875,2.275) 6(3.125,2.275)
  rrect15% 1x2.7 smd paste+0 mask+0.05: 7(-4.975,-0.925) 8(4.975,-0.925)
  silkscreen extent -5.63,-2.4 5.63,3.27, body extent -5.58,-2.37 5.58,3.22, height 0.25
SMAJ54CA-Footprint-1 [mm]
  rrect5% 2.1x1.8 smd: 1(-2.2,0) 2(2.2,0)
  silkscreen extent -3.6,-1.7 3.6,1.7, body extent -2.61,-1.3 2.61,1.3, height 2.4
SOLDERPAD_3PIN-Footprint-1 [mm]
  rrect15% 1.5x1.5 smd: 1(0,2.54) 2(0,0) 3(0,-2.54)
Sot23-6-Footprint-1 [mm]
  rrect15% 0.4x0.8 smd mask+0.05: 1(-0.65,-0.95) 2(0,-0.95) 3(0.65,-0.95) 4(0.65,0.95) 5(0,0.95) 6(-0.65,0.95)
  silkscreen extent -1.11,-1.1 1.1,1.1, body extent -1,-1.05 1,1.05, height 1.1
SOT-23-5 [mm]
  rrect10% 1.1x0.6 smd: 1(-1.3,0.95) 2(-1.3,0) 3(-1.3,-0.95) 4(1.3,-0.95) 5(1.3,0.95)
  silkscreen extent -2.61,-1.6 1,1.6, body extent -1.4,-1.45 1.4,1.45, height 1.45
SRN6045-1R0Y-Footprint-1 [mm]
  rrect15% 2x6 smd: 1(-2.15,0) 2(2.15,0)
  silkscreen extent -3.5,-3.35 3.5,3.35, body extent -3,-3 3,3, height 4.5
TJA1051TK_3,118-Footprint-1 [mm]
  rrect15% 0.525x0.3 smd: 1(-1.362,0.975) 2(-1.362,0.325) 3(-1.362,-0.325) 4(-1.362,-0.975) 5(1.362,-0.975) 6(1.362,-0.325) 7(1.362,0.325) 8(1.362,0.975)
  rrect15% 1.65x2.45 smd: 9(0,0)
  silkscreen extent -2.08,1.5 -1.82,1.76, body extent -1.5,-1.5 1.5,1.5, height 1.01
TLV62585PDRLR-Footprint-1 [mm]
  rrect33% 0.67x0.3 smd mask+0.05: 1(-0.635,0.5) 2(-0.635,0) 3(-0.635,-0.5) 4(0.635,-0.5) 5(0.635,0) 6(0.635,0.5)
  silkscreen extent -1.12,-0.8 1.12,1.08, body extent -0.8,-0.78 0.8,0.78, height 0.6
TPD5E003DPFR-Footprint-1 [mm]
  rrect58% 0.35x0.17 smd mask+0.05: 1(-0.55,0.35) 2(-0.55,0) 3(-0.55,-0.35) 4(0.55,-0.35) 5(0.55,0) 6(0.55,0.35)
  silkscreen extent -0.64,-0.53 0.53,0.74, body extent -0.5,-0.5 0.5,0.5, height 0.45
TSSP4038-Footprint-1 [mm]
  round 1.524 hole 0.95: 1(-2.55,1.85) 2(-0.01,1.85) 3(2.53,1.85)
  silkscreen extent -4.56,0.86 3.4,3.2, body extent -3,-2.21 3,3.34, height 9.51
USB1130-15-A-Footprint-1 [mm]
  round 1.5 hole 0.92: 1(0,0) 2(2.5,0) 3(4.5,0) 4(7,0)
  round 3 hole 2.26: MH1(-3.07,2.71) MH2(10.07,2.71)
  silkscreen extent -4.34,-1.65 11.43,9.8, body extent -4.24,-1.34 11.36,12.82, height 6.61
WS2812B-2020-Footprint-1 [mm]
  rrect15% 0.7x0.7 smd: 1(0.915,-0.55) 2(0.915,0.55) 3(-0.915,0.55) 4(-0.915,-0.55)
  silkscreen extent -1.4,-1.02 1.4,1.02, body extent -1.1,-1 1.1,1, height 0.85
XT60PW-M-Footprint-1 [mm] "XT60PW-M-Footprint-1"
  round 2.7 hole 1.7: 1(-2.5,0) 2(2.5,0)
  round 2 hole 1: MH0(-5.5,10) MH1(5.5,10)
  silkscreen extent -7,-1.8 7,11.4, body extent -6.65,-1 6.65,12.95, height 5